# Altium PCB BluetoothAdapter2.0.PcbDoc
Units mm, origin at the board's own origin, x right, y up, seen from the top; angles counter-clockwise.
Board outline 71 x 24.5 mm, 2 copper layers (Top Layer, Bottom Layer); 74 components, 54 nets, 230 pads, 107 vias.
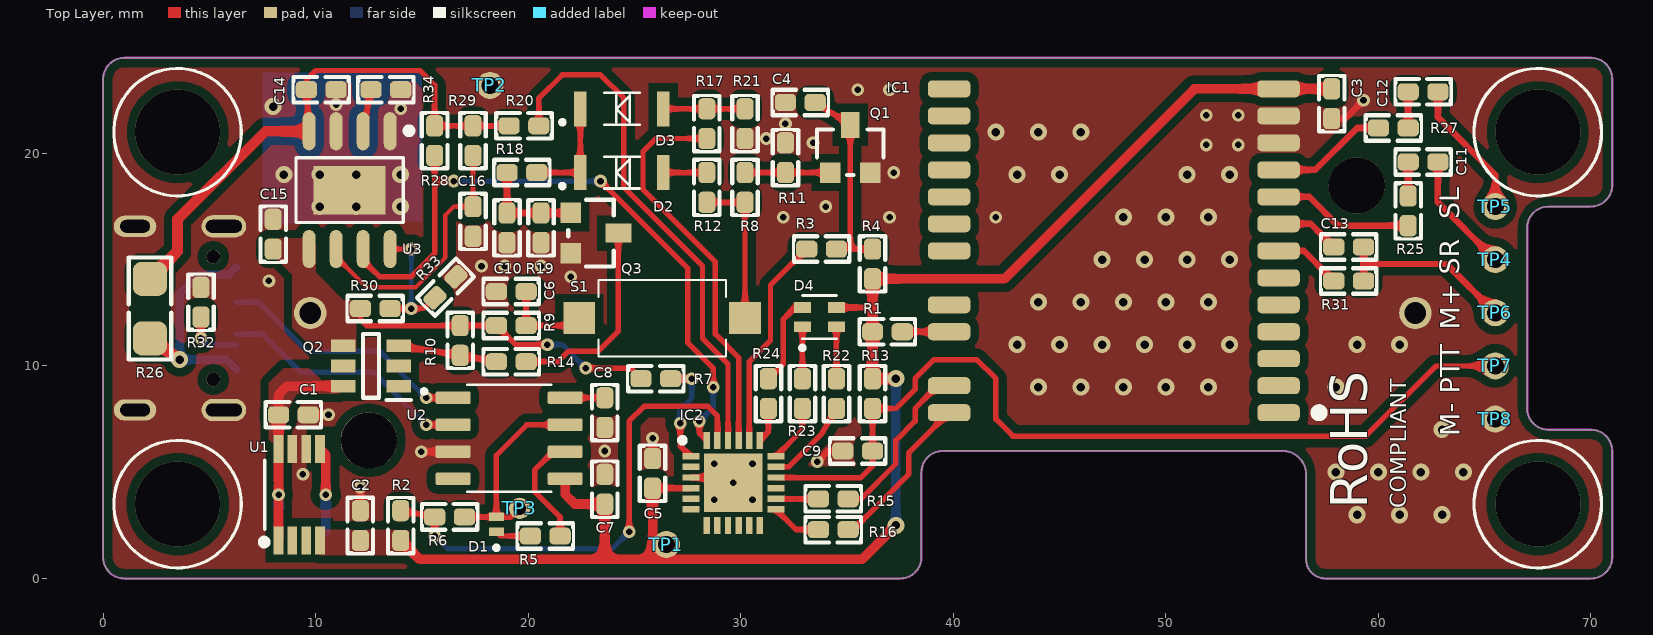
[diagram p0: Top Layer view]
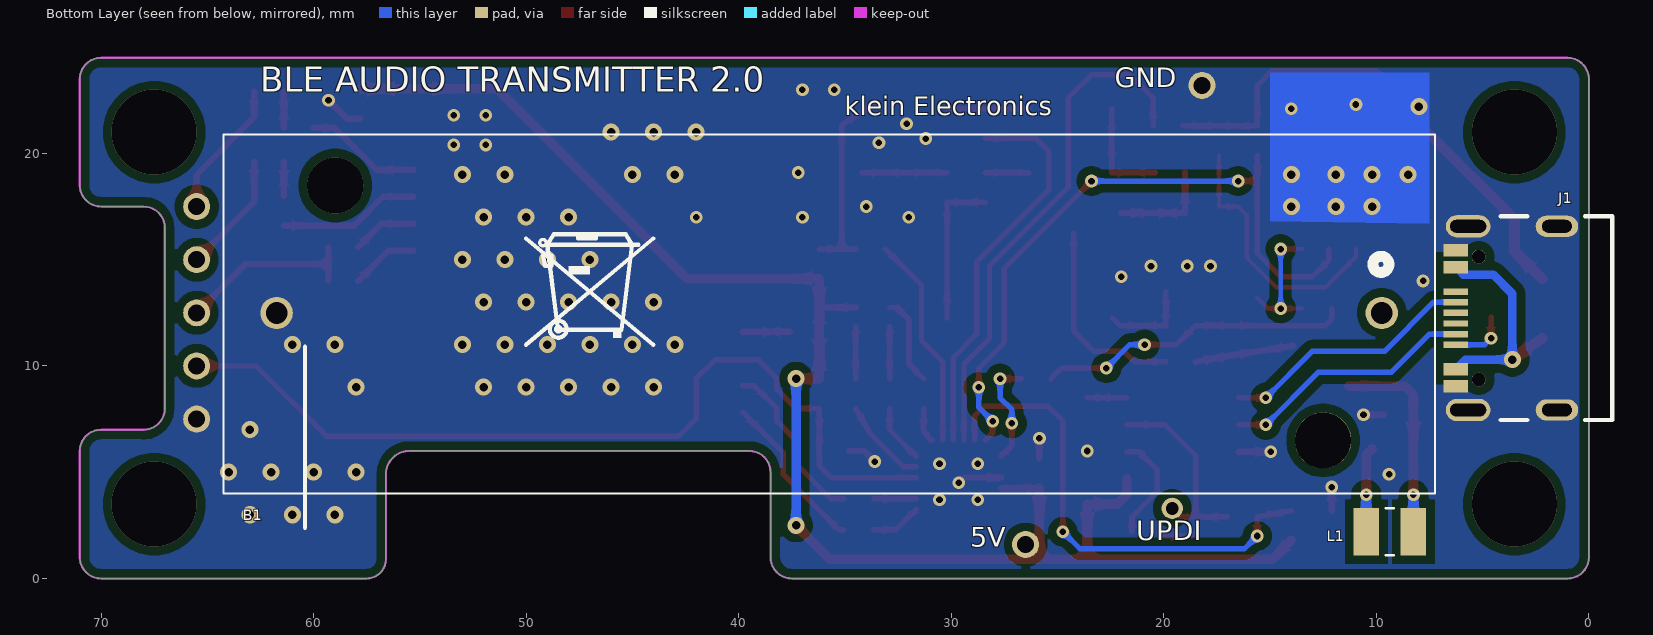
[diagram p1: Bottom Layer view, seen from below]
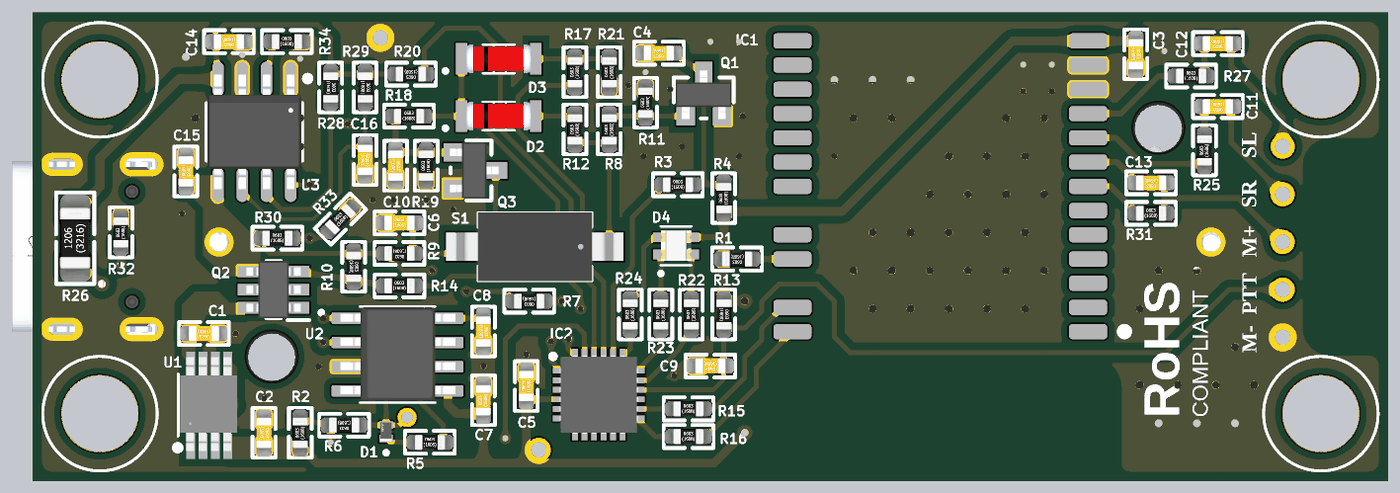
[diagram p2: 3D render of the assembled board from above, using the file's embedded part models]
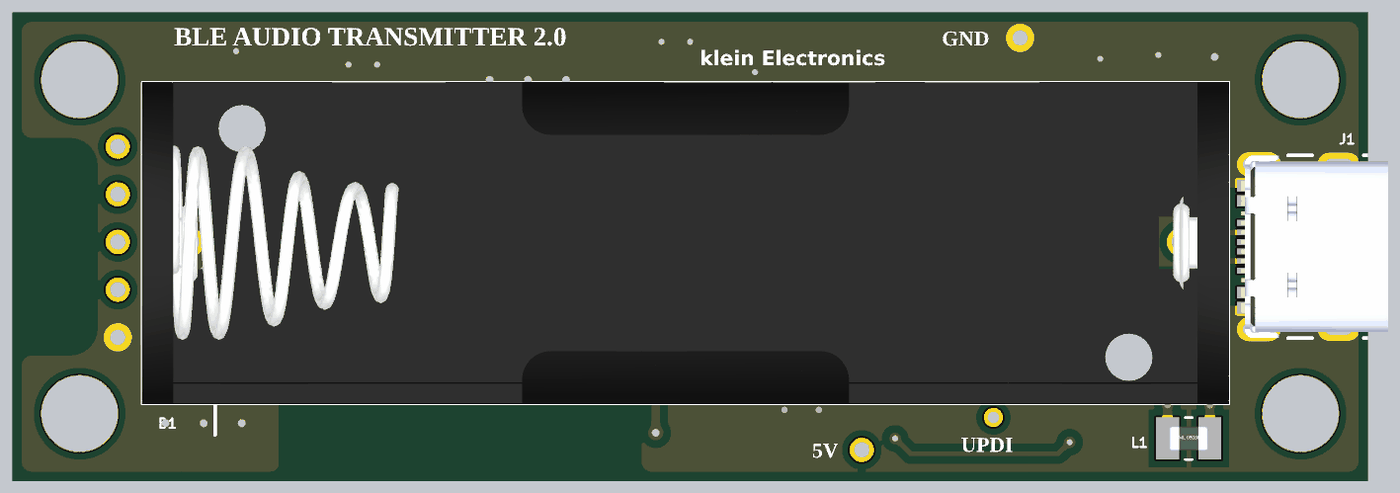
[diagram p3: 3D render of the assembled board from below, using the file's embedded part models]

## Layer stack, top to bottom
Top Solder: solder mask 0.0102, Solder Resist, Dk 3.5
Top Layer: signal copper 0.0356
Dielectric 1: dielectric 0.32, FR-4, Dk 4.8
Bottom Layer: signal copper 0.0356
Bottom Solder: solder mask 0.0102, Solder Resist, Dk 3.5

## Board outline
0,1 0,23.5 cw(c1,23.5) 1,24.5 70,24.5 cw(c70,23.5) 71,23.5 71,18.5 cw(c70,18.5) 70,17.5 68,17.5 ccw(c68,16.5) 67,16.5 67,8 ccw(c68,8) 68,7 70,7 cw(c70,6) 71,6 71,1 cw(c70,1) 70,0 57.5,0 cw(c57.5,0.9) 56.6,0.9 56.6,4.9 ccw(c55.5,4.9) 55.5,6 39.5,6 ccw(c39.5,5) 38.5,5 38.5,1 cw(c37.5,1) 37.5,0 1,0 cw(c1,1)

## Design rules (kind name [scope] priority, off if disabled: settings)
Clearance Clearance_2 [InPoly] p1: gap=0.4 ignorepadtopadclearanceinfootprint=FALSE
Clearance Clearance_Footprint [HasFootprint('QFN50P400X400X90-25N-D') = false or InComponent('IC2')] p2: gap=0.15 ignorepadtopadclearanceinfootprint=FALSE
Clearance [All] p3: gap=0.254 ignorepadtopadclearanceinfootprint=FALSE
DiffPairsRouting [All] p1: maxlimit=0.254 minlimit=0.254 mostfreqgap=0.254 toplayer_minwidth=0.2 toplayer_maxwidth=0.381 toplayer_prefwidth=0.381 bottomlayer_minwidth=0.2 bottomlayer_maxwidth=0.381 bottomlayer_prefwidth=0.381 maxuncoupledlength=12.7
HoleSize [All] p1: absolutevalues=TRUE maxlimit=10 minlimit=0.025 maxpercent=80.000 minpercent=20.000
MatchedLengths USB [InDifferentialPair('D')] p1: tolerance=0.127 checknetsindiffpair=TRUE checkdiffpairvsdiffpair=FALSE checkxsignals=FALSE checkothers=FALSE
MinimumSolderMaskSliver [All] p1: minsoldermaskwidth=0
PolygonConnect [All] p1: connectstyle=Direct reliefconductorwidth=0.254 reliefentries=4 polygonreliefangle="90 Angle" airgapwidth=0.254
RoutingVias [All] p1: holewidth=0.31 width=0.6 viastyle="Through Hole" minholewidth=0.3 minwidth=0.6 maxholewidth=10 maxwidth=10
SilkToSilkClearance [All] p1: silktosilkclearance=0
SilkToSolderMaskClearance [IsPad] p1: minsilkscreentomaskgap=0 clearancetoexposedcopper=TRUE
SolderMaskExpansion [All] p1: expansion=0.102 istentingtop=FALSE
Width [All] p1: maxlimit=2 minlimit=0.2 preferedwidth=0.254
25 further rules are at their usual default settings.

## Classes and differential pairs
differential pair class USB2.0: D
differential pair D: +D_P -D_N

## Components (designator, comment, footprint, x,y, rotation, side; value= is the part's Value field where it differs from the comment)
B1 "BATT HOLDER AA 1 CELL PC PIN" 2460_KEY 9.744,12.494 r0 bottom locked value=2460
C1 "CAP CER 10UF 16V X5R 0603" C0603S 8.952,7.7 r180 top value=10uF/16V
C2 "CAP CER 10UF 16V X5R 0603" C0603S 12.1,2.494 r270 top value=10uF/16V
C3 "CAP CER 0.1UF 25V X7R 0603" C0603S 57.8,22.34 r270 top value=0.1uF/25V
C4 "CAP CER 0.1UF 25V X7R 0603" C0603S 32.8,22.4 r180 top value=0.1uF/25V
C5 "CAP CER 0.1UF 25V X7R 0603" C0603S 25.85,4.95 r90 top value=0.1uF/25V
C6 "CAP CER 100PF 25V X7R 0603" C0603S 19.2,13.5 r0 top value=100pF/25V
C7 "CAP CER 0.1UF 25V X7R 0603" C0603S 23.6,4.2 r90 top value=0.1uF/25V
C8 "CAP CER 0.1UF 25V X7R 0603" C0603S 23.6,7.805 r270 top value=0.1uF/25V
C9 "CAP CER 0.1UF 25V X7R 0603" C0603S 35.5,6 r180 top value=0.1uF/25V
C10 "CAP CER 0.1UF 25V X7R 0603" C0603S 19,16.5 r270 top value=0.1uF/25V
C11 "CAP CER 10UF 16V X5R 0603" C0603S 62.1,19.6 r180 top value=10uF/16V
C12 "CAP CER 10UF 16V X5R 0603" C0603S 62.1,22.9 r180 top value=10uF/16V
C13 "CAP CER 10UF 16V X5R 0603" C0603S 58.6,15.6 r180 top value=10uF/16V
C14 "CAP CER 1UF 16V X7R 0603" C0603S 10.26,23 r180 top value=1uF/16V
C15 "CAP CER 10UF 16V X5R 0603" C0603S 8,16.2 r270 top value=10uF/16V
C16 "CAP CER 2.2UF 16V X7R 0603" C0603S 17.4,16.8 r90 top value=2.2uF/16V
D1 "BAT54LP-7" DESD3V3S1BL7B 18.5,2.225 r90 top
D2 "DIODE GEN PURP 100V 200MA SOD80" DIO_LL4148 24.4,19.1 r0 top value=LL4148
D3 "DIODE GEN PURP 100V 200MA SOD80" DIO_LL4148 24.4,22.1 r0 top value=LL4148
D4 "LED RGB MIXED WHITE ( 1.6(L)X1.6" LED_B38G3RGB-10D0003H2U1930 33.7,12.3 r90 top value=B38G3RGB-10D0003H2U1930
IC1 "AUDIO BLE/SPP PASS-THROUGH MODU" DFR0781 55.3,23.04 r180 top locked value=DFR0781
IC2 "IC MCU 8BIT 32KB FLASH 24VQFN" QFN50P400X400X90-25N-D 29.65,4.5 r0 top value=ATTINY3217-MNR
J1 "CONN RCP USB2.0 TYP C 24P SMD RA" GCT_USB4105-GF-A 1.5,12.25 r90 bottom locked value=USB4105-GF-A
L1 "FIXED IND 4.7UH 1.3A 120MOHM SMD" INDC2520X100N 9.362,2.2 r180 bottom value=4.7uH
Q1 "TRANS NPN 25V 0.5A SOT23" SOT23-3D 34.2,19.1 r0 top value=S8050
Q2 "MOSFET P-CH 30V 5A 6CPH" SOT95P285X140-6N 12.6,10 r180 top value=CPH6341-TL-W
Q3 "TRANS NPN 25V 0.5A SOT23" SOT23-3D 22,17.2 r270 top value=S8050
R1 "RES 10K OHM 1% 1/10W 0603" R0603S 36.9,11.61 r180 top value=10K
R2 "RES 100K OHM 1% 1/10W 0603" R0603S 14,2.494 r90 top value=100K
R3 "RES 56 OHM 1% 1/10W 0603" R0603S 33.8,15.5 r0 top value=56R
R4 "RES 10K OHM 1% 1/10W 0603" R0603S 36.2,14.8 r90 top value=10K
R5 "RES 1K OHM 1% 1/10W 0603" R0603S 20.8,2 r0 top value=1K
R6 "RES 470 OHM 1% 1/10W 0603" R0603S 16.3,2.9 r180 top value=470R
R7 "RES 10K OHM 1% 1/10W 0603" R0603S 26,9.4 r180 top value=10K
R8 "RES 10K OHM 1% 1/10W 0603" R0603S 30.2,18.4 r90 top value=10K
R9 "RES 56 OHM 1% 1/10W 0603" R0603S 19.2,11.9 r180 top value=56R
R10 "RES 10K OHM 1% 1/10W 0603" R0603S 16.8,11.2 r270 top value=10K
R11 "RES 10K OHM 1% 1/10W 0603" R0603S 32.1,19.8 r90 top value=10K
R12 "RES 10K OHM 1% 1/10W 0603" R0603S 28.4,18.4 r90 top value=10K
R13 "RES 10K OHM 1% 1/10W 0603" R0603S 36.2,8.7 r270 top value=10K
R14 "RES 1K OHM 1% 1/10W 0603" R0603S 19.2,10.2 r0 top value=1K
R15 "RES 1K OHM 1% 1/10W 0603" R0603S 34.35,3.75 r0 top value=1K
R16 "RES 1K OHM 1% 1/10W 0603" R0603S 34.35,2.3 r0 top value=1K
R17 "RES 200 OHM 1% 1/10W 0603" R0603S 28.4,21.4 r90 top value=200R
R18 "RES 1K OHM 1% 1/10W 0603" R0603S 19.7,19.1 r0 top value=1K
R19 "RES 200K OHM 1% 1/10W 0603" R0603S 20.6,16.5 r90 top value=200K
R20 "RES 10K OHM 1% 1/10W 0603" R0603S 19.8,21.3 r180 top value=10K
R21 "RES 10K OHM 1% 1/10W 0603" R0603S 30.2,21.4 r90 top value=10K
R22 "RES 1K OHM 1% 1/10W 0603" R0603S 34.5,8.7 r90 top value=1K
R23 "RES 1K OHM 1% 1/10W 0603" R0603S 32.9,8.7 r90 top value=1K
R24 "RES 1K OHM 1% 1/10W 0603" R0603S 31.3,8.7 r90 top value=1K
R25 "RES 22 OHM 5% 1/10W 0603" R0603S 61.4,17.3 r90 top value=22R
R26 "RES 0.4 OHM 1% 1/4W 1206" R1206S 2.2,12.7 r90 top value=0.4R
R27 "RES 22 OHM 5% 1/10W 0603" R0603S 60.7,21.2 r0 top value=22R
R28 "RES 2K OHM 1% 1/10W 0603" R0603S 15.595,20.6 r270 top value=2K
R29 "RES 510K OHM 1% 1/10W 0603" R0603S 17.4,20.6 r270 top value=510K
R30 "RES 24.9K OHM 1% 1/10W 0603" R0603S 12.8,12.7 r0 top value=24.9K
R31 "RES 6.2K OHM 1% 1/10W 0603" R0603S 58.6,14 r0 top value=6.2K
R32 "RES 5.1K OHM 1% 1/10W 0603" R0603S 4.6,13 r90 top value=5.1K
R33 "RES 100K OHM 1% 1/10W 0603" R0603S 16.105,13.705 r45 top value=100K
R34 "RES 1.3K OHM 1% 1/10W 0603" R0603S 13.3,23 r0 top value=1.3K
S1 "SWITCH TACTILE SPST-NO 0.05A 12V" RS282G05A3SMRT 26.3,12.25 r180 top value="RS-282G05A3-SM RT"
TP1 "TP" TP#1 26.5,1.6 r90 top
TP2 "TP" TP#1 18.2,23.2 r90 top
TP3 "TP" TP#2 19.6,3.3 r90 top
TP4 "TP" TP#1 65.5,15 r90 top
TP5 "TP" TP#1 65.5,17.5 r90 top
TP6 "TP" TP#1 65.5,12.5 r90 top
TP7 "TP" TP#1 65.5,10 r90 top
TP8 "TP" TP#1 65.5,7.5 r90 top
U1 "IC REG BOOST 5V 800MA 8MSOP" MCP1642B-50I/MS 9.1,4 r90 top value=MCP1642B-50I/MS
U2 "IC USB TO UART BRIDGE SOP-8" SOIC127P602X173-8N 19.1,6.6 r0 top value=CH340N
U3 "SOP-8-EP Battery Management ICs ROHS" SOP-8_L4.9-W3.9-P1.27-LS6.0-BL-EP 11.595,18.273 r180 top value=CN3085

## Footprints (in the part's own frame and the unit in brackets; to place one, negate y for a bottom-side part, rotate by r counter-clockwise, add the part's x,y. Pads: shape width x height; smd on the part's side, far side on the other; paste and mask are expansions set on the pad)
2460_KEY [mil]
  round 60 hole 40 mask+0: 1(0,0) 2(2047,0)
  round 104 hole 104 unplated: 3(108.5,236) 4(1938.5,-236)
  silkscreen extent -99,-331 2145,334, body extent -99,-331 2145,334, height 548
C0603S [mm] "CHIP Capacitor, 1.6X0.8mm, 0603, soldered"
  rrect50% 1x0.8 smd mask+0.075: 1(-0.7,0) 2(0.7,0)
  silkscreen extent -1.33,-0.6 1.32,0.6, body extent -1.23,-0.4 1.23,0.4, height 0.8
DESD3V3S1BL7B [mm]
  rect 0.4x0.7 smd: 1(-0.025,0) 2(0.675,0)
  silkscreen extent -0.87,-0.1 -0.68,0.1, body extent -0.18,-0.3 0.82,0.3, height 0.53
DFR0781 [mm]
  rrect50% 2x0.8 smd: 1(0,15.24) 2(0,13.97) 3(0,12.7) 4(0,11.43) 5(0,10.16) 6(0,8.89) 7(0,7.62) 8(0,6.35) 9(0,5.08) 10(0,3.81) 11(0,2.54) 12(0,1.27) 13(0,0) 14(15.5,0) 15(15.5,1.27) 16(15.5,2.54) 17(15.5,3.81) 18(15.5,5.08) 19(15.5,6.35) 20(15.5,7.62) 22(15.5,10.16) 23(15.5,11.43) 25(15.5,13.97) 26(15.5,15.24)
  silkscreen extent -2.1,15.04 -1.71,15.44, body extent -0.1,-0.9 15.6,22.54, height 2
DIO_LL4148 [mm]
  rect 0.6x1.65 smd: 1(1.95,0) 2(-1.95,0)
  silkscreen extent -2.89,-0.75 0.83,0.75, body extent -1.72,-0.75 1.73,0.75, height 1.5
GCT_USB4105-GF-A [mm]
  rect 0.6x1.15 smd: A1_B12(-3.2,4.755) A4_B9(-2.4,4.755) B1_A12(3.2,4.755) B4_A9(2.4,4.755)
  rect 0.3x1.15 smd: A5(-1.25,4.755) A6(-0.25,4.755) A7(0.25,4.755) A8(1.25,4.755) B6(0.75,4.755) B7(-0.75,4.755)
  rect 0x0 smd paste+0 mask+0.102: B5(1.75,4.755) B8(-1.75,4.755)
  oval 1.05x2.1 hole 0.6 slot 1.7 at 90 deg: S1(-4.32,4.18) S4(4.32,4.18)
  oval 1x2 hole 0.6 slot 1.4 at 90 deg: S2(-4.32,0) S3(4.32,0)
  round 0.65 hole 0.65 unplated: ""(-2.89,3.68) ""(2.89,3.68)
  silkscreen extent -4.79,-2.6 4.79,2.65, body extent -4.79,-2.6 4.79,5.11, height 3.31
INDC2520X100N [mm]
  rect 1.2x2.22 smd: 1(-1.11,0) 2(1.11,0)
  silkscreen extent -0.19,-1.1 0.19,1.1, body extent -1,-0.63 1,0.63, height 0.82
LED_B38G3RGB-10D0003H2U1930 [mm]
  rect 0.5x0.8 smd: 1(-0.45,0.8) 2(0.45,0.8) 3(0.45,-0.8) 4(-0.45,-0.8)
  silkscreen extent -1.55,-0.8 1.02,0.9, body extent -0.8,-0.8 0.8,0.8, height 0.4
MCP1642B-50I/MS [mil]
  rect 51.46x18 smd paste+0 mask+0: 1(-86.85,33.39) 2(-86.85,7.8) 3(-86.85,-17.8) 4(-86.85,-43.39) 5(82.6,-43.39) 6(82.6,-17.8) 7(82.6,7.8) 8(82.6,33.39)
  silkscreen extent -96,54 62,66, body extent -96,-63 96,55, height 43
QFN50P400X400X90-25N-D [mm]
  rect 0.8x0.3 smd: 1(-2,1.25) 2(-2,0.75) 3(-2,0.25) 4(-2,-0.25) 5(-2,-0.75) 6(-2,-1.25) 13(2,-1.25) 14(2,-0.75) 15(2,-0.25) 16(2,0.25) 17(2,0.75) 18(2,1.25)
  rect 0.3x0.8 smd: 7(-1.25,-2) 8(-0.75,-2) 9(-0.25,-2) 10(0.25,-2) 11(0.75,-2) 12(1.25,-2) 19(1.25,2) 20(0.75,2) 21(0.25,2) 22(-0.25,2) 23(-0.75,2) 24(-1.25,2)
  rect 2.75x2.75 smd: 25(0,0)
  silkscreen extent -2.52,1.88 -2.27,2.12, body extent -2.05,-2.05 2.05,2.05, height 0.9
R0603S [mm] "CHIP Resistor 1/10 WATT, 1.6x0.8mm, 0603, 1608, soldered"
  rrect50% 1x0.8 smd mask+0.05: 1(-0.7,0) 2(0.7,0)
  silkscreen extent -1.32,-0.6 1.32,0.6, body extent -1.23,-0.4 1.23,0.4, height 0.8
R1206S [mm] "CHIP RESISTOR 1/4 WATT, Body 3.2x1.6mm,1206, 3216, soldered"
  rrect50% 1.6x1.6 smd mask+0.075: 1(-1.4,0) 2(1.4,0)
  Top Layer pour cut-out: -0.8,1 -0.8,-1 0.8,-1 0.8,1
  silkscreen extent -2.4,-1 2.4,1, body extent -2.27,-0.8 2.27,0.8, height 1.25
RS282G05A3SMRT [mm]
  rect 1.5x1.5 smd: 1(-3.9,0) 2(3.9,0)
  silkscreen extent -3,-1.8 3,1.8, body extent -4.65,-1.8 4.65,1.8, height 2.49
SOIC127P602X173-8N [mm]
  rrect25% 1.64x0.59 smd: 1(-2.635,1.905) 2(-2.635,0.635) 3(-2.635,-0.635) 4(-2.635,-1.905) 5(2.635,-1.905) 6(2.635,-0.635) 7(2.635,0.635) 8(2.635,1.905)
  silkscreen extent -4.1,-2.52 1.97,2.52, body extent -2.99,-2.43 3.03,2.48, height 1.66
SOP-8_L4.9-W3.9-P1.27-LS6.0-BL-EP [mm]
  oval 0.6x1.8 smd: 1(-1.905,-2.773) 2(-0.635,-2.773) 3(0.635,-2.773) 4(1.905,-2.773) 5(1.905,2.773) 6(0.635,2.773) 7(-0.635,2.773) 8(-1.905,2.773)
  rect 3.4x2.29 smd: 9(0,0)
  silkscreen extent -2.94,-2.94 2.53,1.52, body extent -2.45,-3 2.45,3, height 1.7
SOT23-3D [mm]
  rect 0.965x0.965 smd: 1(0,0) 3(1.9,0)
  rect 0.889x1.219 smd: 2(0.95,2.24)
  silkscreen extent -0.62,-0.12 2.52,2.02, body extent -0.51,-0.15 2.41,2.39, height 1
SOT95P285X140-6N [mm]
  rect 1.15x0.6 smd: 1(-1.3,0.95) 2(-1.3,0) 3(-1.3,-0.95) 4(1.3,-0.95) 5(1.3,0) 6(1.3,0.95)
  silkscreen extent -1.88,-1.5 0.38,1.6, body extent -1.43,-1.5 1.43,1.5, height 1.4
TP#1 [mm]
  round 1.27 hole 0.8: 1(0,0)
TP#2 [mm]
  round 1 hole 0.6: 1(0,0)

## Part data
B1: library part 2460, "Battery Holder (Open) AA 1 Cell PC Pin", Digi-Key Part Number=36-2460-ND, Manufacturer="Keystone Electronics", Digi-Key PurchaseURL=https://www.digikey.com/en/products/detail/keystone-electronics/2460/280629, Manufacturer Product Number=2460
C1 C2 C11 C12 C13 C15: library part Cap, "10 µF ±20% 16V Ceramic Capacitor X5R 0603 (1608 Metric)", Digi-Key Part Number=490-10729-6-ND, Manufacturer="Murata Electronics", Manufacturer Product Number=GRM188R61C106MAALD, TemperatureCoefficient=X5R, Digi-Key PurchaseURL=https://www.digikey.com/en/products/detail/murata-electronics/GRM188R61C106MAALD/4905340
C3 C4 C5 C7 C8 C9 C10: library part Cap, "0.1 µF ±10% 25V Ceramic Capacitor X7R 0603 (1608 Metric)", Digi-Key Part Number=399-C0603C104K3RAC7867TR-ND, Manufacturer=KEMET, Manufacturer Product Number=C0603C104K3RAC7867, TemperatureCoefficient=X7R, Digi-Key PurchaseURL=https://www.digikey.com/en/products/detail/kemet/C0603C104K3RAC7867/416044
C6: library part Cap, "0.1 µF ±10% 25V Ceramic Capacitor X7R 0603 (1608 Metric)", Digi-Key Part Number=399-C0603C101K3RACAUTODKR-ND, Manufacturer=KEMET, Manufacturer Product Number=C0603C101K3RACAUTO, TemperatureCoefficient=X7R, Digi-Key PurchaseURL=https://www.digikey.com/en/products/detail/kemet/C0603C101K3RACAUTO/10642423
C14: library part Cap, "1 µF ±10% 16V Ceramic Capacitor X7R 0603 (1608 Metric)", Digi-Key Part Number=311-1446-6-ND, Manufacturer=YAGEO, Manufacturer Product Number=CC0603KRX7R7BB105, TemperatureCoefficient=X7R, Digi-Key PurchaseURL=https://www.digikey.com/en/products/detail/yageo/CC0603KRX7R7BB105/2833611
C16: library part Cap, "2.2 µF ±10% 16V Ceramic Capacitor X7R 0603 (1608 Metric)", Digi-Key Part Number=490-GRM188Z71C225KE43DDKR-ND, Manufacturer="Murata Electronics", Manufacturer Product Number=GRM188Z71C225KE43D, TemperatureCoefficient=X7R, Digi-Key PurchaseURL=https://www.digikey.com/en/products/detail/murata-electronics/GRM188Z71C225KE43D/15930193
D1: "Diode 30 V 200mA Surface Mount X1-DFN1006-2", Digi-Key Part Number=BAT54LPDIDKR-ND, Manufacturer="Diodes Inc.", Digi-Key PurchaseURL=https://www.digikey.com/en/products/detail/diodes-incorporated/BAT54LP-7/765611, Manufacturer Product Number=BAT54LP-7
D2 D3: library part Diode, "Diode Standard 100 V 200mA Surface Mount SOD-80", Digi-Key Part Number=LL4148FSCT-ND, LCSC Part Number=C9808, Manufacturer=onsemi, Manufacturer Product Number=LL4148, TemperatureCoefficient="-55°C ~ 175°C", Digi-Key PurchaseURL=https://www.digikey.com/en/products/detail/onsemi/LL4148/1923046, LCSC Purchase URL=https://www.lcsc.com/product-detail/Switching-Diode_ST-Semtech-LL4148_C9808.html
D4: library part B38G3RGB-10D0003H2U1930, "Red, Green, Blue (RGB) LED Indication - Discrete 2V Red, 3V Green, 3V Blue 0606 (1616 Metric)", Digi-Key Part Number=3147-B38G3RGB-10D0003H2U1930DKR-ND, Manufacturer="Harvatek Corporation", Digi-Key PurchaseURL=https://www.digikey.com/en/products/detail/harvatek-corporation/B38G3RGB-10D0003H2U1930/13588733?s=N4IgTCBcDaIEIGYAcBxBAlFcC0BGADACL4kIASYAqrgJwL4gC6AvkA, Manufacturer Product Number=B38G3RGB-10D0003H2U1930
IC1: library part DFR0781, "Bluetooth Bluetooth v5.0 Transceiver Module Antenna Not Included Surface Mount", Digi-Key Part Number=1738-DFR0781-ND, Manufacturer=DFRobot, Digi-Key PurchaseURL=https://www.digikey.com/en/products/detail/dfrobot/DFR0781/13688344?s=N4IgTCBcDaICYDMBOAGA7ADgIwgLoF8g, Manufacturer Product Number=DFR0781
IC2: library part ATTINY3217-MNR, "AVR tinyAVR™ 1, Functional Safety (FuSa) Microcontroller IC 8-Bit 20MHz 32KB (32K x 8) FLASH 24-VQFN (4x4)", Digi-Key Part Number=ATTINY3217-MNRDKR-ND, Manufacturer=Microchip, Digi-Key PurchaseURL=https://www.digikey.com/en/products/detail/microchip-technology/ATTINY3217-MNR/9477738?s=N4IgTCBcDaIIIBUEEkByBNAzGAjAdgFoBZVAJRAF0BfIA, Manufacturer Product Number=ATTINY3217-MNR
J1: library part USB4105-GF-A, "USB-C (USB TYPE-C) USB 2.0 Receptacle Connector 24 (16+8 Dummy) Position Surface Mount, Right Angle; Through Hole", Digi-Key Part Number=2073-USB4105-GF-ADKR-ND, Manufacturer=GCT, Digi-Key PurchaseURL=https://www.digikey.com/en/products/detail/gct/USB4105-GF-A/11198441, Manufacturer Product Number=USB4105-GF-A
L1: library part AIML-1008HC-4R7M-T, "4.7 µH Shielded Multilayer Inductor 1.3 A 120mOhm 1008 (2520 Metric)", Digi-Key Part Number=535-12797-6-ND, Manufacturer="Abracon LLC", Digi-Key PurchaseURL=https://www.digikey.com/en/products/detail/abracon-llc/AIML-1008HC-4R7M-T/5043494?s=N4IgTCBcDaIIIEkCyAZAtARgAxYBwAkBhNAFgCUB2JNAFRAF0BfIA, Manufacturer Product Number=AIML-1008HC-4R7M-T
Q1 Q3: library part S8050, "Bipolar (BJT) Transistor NPN 25 V 500 mA 150MHz 300 mW Surface Mount SOT-23", Digi-Key Part Number=3372-S8050TR-ND, Manufacturer=MDD, Digi-Key PurchaseURL=https://www.digikey.com/en/products/detail/nextgen-components/S8050/16602420, Manufacturer Product Number=S8050
Q2: library part CPH6341-TL-W, "P-Channel 30 V 5A (Ta) 1.6W (Ta) Surface Mount 6-CPH", Digi-Key Part Number=CPH6341-TL-WOSDKR-ND, Manufacturer=onsemi, Digi-Key PurchaseURL=https://www.digikey.com/en/products/detail/onsemi/CPH6341-TL-W/4847611, Manufacturer Product Number=CPH6341-TL-W
R1 R4 R7 R8 R10 R11 R12 R13 R20 R21: library part R0603, "10 kOhms ±1% 0.1W, 1/10W Chip Resistor 0603 (1608 Metric) Moisture Resistant Thick Film", Digi-Key Part Number=311-10.0KHRCT-ND, Manufacturer=YAGEO, Manufacturer Product Number=RC0603FR-0710KL, Digi-Key PurchaseURL=https://www.digikey.com/en/products/detail/yageo/RC0603FR-0710KL/726880
R2 R33: library part R0603, "100 kOhms ±1% 0.1W, 1/10W Chip Resistor 0603 (1608 Metric) Moisture Resistant Thick Film", Digi-Key Part Number=311-100KHRDKR-ND, Manufacturer=YAGEO, Manufacturer Product Number=RC0603FR-07100KL, Digi-Key PurchaseURL=https://www.digikey.com/en/products/detail/yageo/RC0603FR-07100KL/726889?s=N4IgTCBcDaIEoGEAMA2JBmAYnAtEg7AIxJIDSAMiALoC%2BQA
R3 R9: library part R0603, "1 kOhms ±1% 0.1W, 1/10W Chip Resistor 0603 (1608 Metric) Moisture Resistant Thick Film", Digi-Key Part Number=311-56.0HRDKR-ND, Manufacturer=YAGEO, Manufacturer Product Number=RC0603FR-0756RL, Digi-Key PurchaseURL=https://www.digikey.com/en/products/detail/yageo/RC0603FR-0756RL/727301
R5 R14 R15 R16 R18 R22 R23 R24: library part R0603, "1 kOhms ±1% 0.1W, 1/10W Chip Resistor 0603 (1608 Metric) Moisture Resistant Thick Film", Digi-Key Part Number=311-1.00KHRTR-ND, Manufacturer=YAGEO, Manufacturer Product Number=RC0603FR-071KL, Digi-Key PurchaseURL=https://www.digikey.com/en/products/detail/yageo/RC0603FR-071KL/726843
R6: library part R0603, "470 Ohms ±1% 0.1W, 1/10W Chip Resistor 0603 (1608 Metric) Moisture Resistant Thick Film", Digi-Key Part Number=311-470HRDKR-ND, Manufacturer=YAGEO, Manufacturer Product Number=RC0603FR-07470RL, Digi-Key PurchaseURL=https://www.digikey.com/en/products/detail/yageo/RC0603FR-07470RL/727256
R17: library part R0603, "10 kOhms ±1% 0.1W, 1/10W Chip Resistor 0603 (1608 Metric) Moisture Resistant Thick Film", Digi-Key Part Number=311-200HRDKR-ND, Manufacturer=YAGEO, Manufacturer Product Number=RC0603FR-07200RL, Digi-Key PurchaseURL=https://www.digikey.com/en/products/detail/yageo/RC0603FR-07200RL/727043
R19: library part R0603, "100 kOhms ±1% 0.1W, 1/10W Chip Resistor 0603 (1608 Metric) Moisture Resistant Thick Film", Digi-Key Part Number=13-RC0603FR-10200KLDKR-ND, Manufacturer=YAGEO, Manufacturer Product Number=RC0603FR-10200KL, Digi-Key PurchaseURL=https://www.digikey.com/en/products/detail/yageo/RC0603FR-10200KL/14008344
R25 R27: library part R0603, "22 Ohms ±5% 0.1W, 1/10W Chip Resistor 0603 (1608 Metric) Moisture Resistant Thick Film", Digi-Key Part Number=311-22GRDKR-ND, Manufacturer=YAGEO, Manufacturer Product Number=RC0603JR-0722RL, Digi-Key PurchaseURL=https://www.digikey.com/en/products/detail/yageo/RC0603JR-0722RL/726743?s=N4IgTCBcDaIEoGEAMA2JBmAUnAtEg7GGHADIgC6AvkA
R26: library part R0603, "400 mOhms ±1% 0.25W, 1/4W Chip Resistor 1206 (3216 Metric) Automotive AEC-Q200, Current Sense, Moisture Resistant Thick Film", Digi-Key Part Number=311-.4LWDKR-ND, Manufacturer=YAGEO, Manufacturer Product Number=RL1206FR-070R4L, Digi-Key PurchaseURL=https://www.digikey.com/en/products/detail/yageo/RL1206FR-070R4L/3886028
R28: library part R0603, "2 kOhms ±1% 0.1W, 1/10W Chip Resistor 0603 (1608 Metric) Moisture Resistant Thick Film", Digi-Key Part Number=311-2.00KHRDKR-ND, Manufacturer=YAGEO, Manufacturer Product Number=RC0603FR-072KL, Digi-Key PurchaseURL=https://www.digikey.com/en/products/detail/yageo/RC0603FR-072KL/727009
R29: library part R0603, "510 kOhms ±1% 0.1W, 1/10W Chip Resistor 0603 (1608 Metric) Moisture Resistant Thick Film", Digi-Key Part Number=311-510KHRDKR-ND, Manufacturer=YAGEO, Manufacturer Product Number=RC0603FR-07510KL, Digi-Key PurchaseURL=https://www.digikey.com/en/products/detail/yageo/RC0603FR-07510KL/727286?s=N4IgTCBcDaIEoGEAMA2JBmAYnAtEg7AKwCMSA0gDIgC6AvkA
R30: library part R0603, "24.9 kOhms ±1% 0.1W, 1/10W Chip Resistor 0603 (1608 Metric) Moisture Resistant Thick Film", Digi-Key Part Number=311-24.9KHRDKR-ND, Manufacturer=YAGEO, Manufacturer Product Number=RC0603FR-0724K9L, Digi-Key PurchaseURL=https://www.digikey.com/en/products/detail/yageo/RC0603FR-0724K9L/727080?s=N4IgTCBcDaIEoGEAMA2JBmAYnAtEg7GACwDSAnADIgC6AvkA
R31: library part R0603, "6.2 kOhms ±1% 0.1W, 1/10W Chip Resistor 0603 (1608 Metric) Moisture Resistant Thick Film", Digi-Key Part Number=311-6.20KHRDKR-ND, Manufacturer=YAGEO, Manufacturer Product Number=RC0603FR-076K2L, Digi-Key PurchaseURL=https://www.digikey.com/en/products/detail/yageo/RC0603FR-076K2L/727319?s=N4IgTCBcDaIEoGEAMA2JBmAYnAtEg7CgNJgAyIAugL5A
R32: library part R0603, "5.1kOhms ±1% 0.1W, 1/10W Chip Resistor 0603 (1608 Metric) Moisture Resistant Thick Film", Digi-Key Part Number=311-5.10KHRDKR-ND, Manufacturer=YAGEO, Manufacturer Product Number=RC0603FR-075K1L, Digi-Key PurchaseURL=https://www.digikey.com/en/products/detail/yageo/RC0603FR-075K1L/727268?s=N4IgTCBcDaIEoGEAMA2JBmAYnAtEg7AKwDSAjADIgC6AvkA
R34: library part R0603, "1.3 kOhms ±1% 0.1W, 1/10W Chip Resistor 0603 (1608 Metric) Automotive AEC-Q200, Moisture Resistant Metal Film", Digi-Key Part Number=2019-RN73H1JTTD1301F100DKR-ND, Manufacturer="KOA Speer Electronics, Inc.", Manufacturer Product Number=RN73H1JTTD1301F100, Digi-Key PurchaseURL=https://www.digikey.com/en/products/detail/koa-speer-electronics-inc/RN73H1JTTD1301F100/10687252
S1: library part RS282G05A3SMRT, "Tactile Switch SPST-NO Top Actuated Surface Mount", Digi-Key Part Number=CKN10384DKR-ND, Manufacturer="C & K COMPONENTS", Manufacturer Product Number="RS-282G05A3-SM RT", Digi-Key PurchaseURL=https://www.digikey.com/en/products/detail/c-k/RS-282G05A3-SM-RT/2747190
U1: library part MCP1642B-50I/MS, "Boost Switching Regulator IC Positive Fixed 5V 1 Output 800mA 8-TSSOP, 8-MSOP (0.118\", 3.00mm Width)", Digi-Key Part Number=MCP1642B-50I/MS-ND, Manufacturer="Microchip Technology", Digi-Key PurchaseURL=https://www.digikey.com/en/products/detail/microchip-technology/MCP1642B-50I-MS/5137716?s=N4IgTCBcDaILIGEAKBGAbAFjAIQLQFYAGASQHo4BlEAXQF8g, Manufacturer Product Number=MCP1642B-50I/MS
U2: library part CH340N, Digi-Key Part Number=C506813, Manufacturer="WCH(Jiangsu Qin Heng)", Digi-Key PurchaseURL=https://www.lcsc.com/product-detail/USB-ICs_WCH-Jiangsu-Qin-Heng-CH340N_C506813.html, Manufacturer Product Number=CH340N
U3: library part CN3085, Digi-Key Part Number=C93054, Manufacturer="ShangHai Consonance Elec", Digi-Key PurchaseURL=https://www.lcsc.com/product-detail/Battery-Management-ICs_ShangHai-Consonance-Elec-CN3085_C93054.html, Manufacturer Product Number=CN3085

## Via types
v1: diameter 0.8, hole 0.4, Top Layer to Bottom Layer, tented both sides, 52 vias
v2: diameter 0.6, hole 0.31, Top Layer to Bottom Layer, tented both sides, 46 vias
v3: diameter 0.6, hole 0.31, Top Layer to Bottom Layer, tented bottom, 5 vias
v4: diameter 4, hole 4, Top Layer to Bottom Layer, 4 vias

## Nets (pads, with @x,y where several pads share a name; then routed paths per layer and width w, separated by ;. In a path a pad name is that pad's centre, name@x,y a point inside that pad or via, vN(x,y) a via of type N, cw(c..) or ccw(c..) an arc to the next point about the centre after c; other vN are vias at no path point)
5V: C2.2 C3.1 C5.1 C7.1 D4.3 IC1.13 IC2.4 R1.2 R2.1 R4.1 R13.1 TP1.1 U1.4 U2.5 | length 74.6
  Top Layer w0.3: C5.1 IC2.4 ; D4.3 36.2,12.75
  Top Layer w0.45: R2.1 14.894,0.9 23.6,0.9 ; U2.5 21.735,3.965 22.2,3.5 C7.1 23.6,0.9 ; C5.1 25.85,0.9 ; v1(37.3,2.5) 35.7,0.9 25.85,0.9 ; v1(37.3,9.4) R13.1 R1.2 36.2,12.75 R4.1 42.4,14.1 51.34,23.04 IC1.13 C3.1 ; 23.6,0.9 25.85,0.9
  Bottom Layer w0.45: v1(37.3,2.5) v1(37.3,9.4)
+BATT: B1.1 C15.2 Q2.4 R7.2 R9.2 R10.1 R30.1 U3.5 | length 14.9
  Top Layer w0.254: R30.1 12.1,12.2 12.4,11.9 R10.1 R9.2 19.4,11 v2(20.9,11) ; v2(22.7,9.9) 24.8,9.9 R7.2
  Bottom Layer w0.254: v2(20.9,11) 21.6,11 v2(22.7,9.9)
CHRG: IC2.24 R28.2 U3.7 | length 31.9
  Top Layer w0.254: U3.7 12.23,14.97 13,14.2 14.5,14.2 15.595,15.295 15.595,18.7 ; R28.2 15.595,18.7 ; v2(16.5,18.7) 15.595,18.7 ; v2(23.4,18.7) 27.5,14.6 27.5,11.1 28.7,9.9 v2(28.7,9) ; v2(28.05,7.4) 28.05,6.85 IC2.24
  Bottom Layer w0.254: v2(16.5,18.7) v2(23.4,18.7) ; v2(28.05,7.4) 28.7,8.05 v2(28.7,9)
D_N: J1.B7 U2.2 | length 12
  Top Layer w0.254: v2(15.2,7.235) U2.2
  Bottom Layer w0.254: J1.B7 7.5,11.5 9.3,9.7 12.735,9.7 v2(15.2,7.235)
D_P: J1.B6 U2.1 | length 12.1
  Top Layer w0.254: v2(15.2,8.505) U2.1
  Bottom Layer w0.254: J1.B6 7.3,13 9.6,10.7 13.005,10.7 v2(15.2,8.505)
DACL: IC1.10 R27.1 | length 5.5
  Top Layer w0.3: IC1.10 57.03,19.23 59,21.2 R27.1
DACR: IC1.9 R25.1 | length 6.7
  Top Layer w0.3: IC1.9 56.74,17.96 58.1,16.6 R25.1
DVDD: IC1.7 R31.1 | length 3.2
  Top Layer w0.3: IC1.7 56.48,15.42 R31.1
KEY: IC2.20 R3.1 | length 10.1
  Top Layer w0.254: IC2.20 30.4,10.2 31.4,11.2 31.4,13.8 R3.1
LED_B: IC2.19 R24.1 | length 1.7
  Top Layer w0.254: IC2.19 31.3,6.9 R24.1
LED_G: IC2.18 R23.1 | length 2.8
  Top Layer w0.254: IC2.18 32.9,7 R23.1
LED_R: IC2.17 R22.1 | length 4.2
  Top Layer w0.254: IC2.17 32.25,5.25 33.8,6.8 R22.1
MIC+: C13.2 IC1.8 | length 3.1
  Top Layer w0.3: IC1.8 56.81,16.69 C13.2
MIC-: B1.2 C1.1 C2.1 C3.2 C4.2 C5.2 C6.1 C7.2 C8.2 C9.2 C10.2 C14.1 C15.1 C16.1 IC1.11 IC1.12 IC2.3 IC2.25 J1.A1_B12 J1.B1_A12 J1.S1 J1.S2 J1.S3 J1.S4 Q1.3 Q3.3 R11.2 R19.1 R21.1 R32.2 R33.2 R34.2 TP2.1 TP8.1 U1.6 U1.7 U2.3 U3.1 U3.3 U3.9 | length 9.9
  Top Layer w0.3: C1.1 v2(10.6,7.7) ; C2.1 v2(12.1,4.3) ; v2(14.965,5.965) U2.3 ; C5.2 v2(25.85,6.6) ; IC2.3 29.4,4.75 v3(29.65,4.5) ; v2(33.6,5.5) 34.1,6 C9.2 ; C3.2 58.44,21.64 v2(59.3,22.5)
  other v1: 59,3 61,3 63,3 58,5 60,5 62,5 64,5 63,7 44,9 46,9 48,9 50,9 52,9 58,9 43,11 45,11 47,11 49,11 51,11 53,11 59,11 61,11 44,13 46,13 48,13 50,13 52,13 47,15 49,15 51,15 53,15 48,17 50,17 52,17 10.2,17.5 11.9,17.5 14,17.5 8.5,19 10.2,19 11.9,19 14,19 43,19 45,19 51,19 53,19 42,21 44,21 46,21 8,22.2
  other v2: 9.4,4.9 23.6,6 7.8,14 22,14.2 17.8,14.7 18.9,14.7 20.6,14.7 32,17 37,17 42,17 34,17.5 37.2,19.1 51.9,20.4 53.4,20.4 33.4,20.5 31.2,20.7 32.1,21.4 51.9,21.8 53.4,21.8 14,22.1 10.96,22.3 35.5,23 37,23
  other v3: 28.75,3.7 30.55,3.7 28.75,5.4 30.55,5.4
NetC4_1: C4.1 Q1.2 R3.2 R4.2 | length 9.5
  Top Layer w0.254: C4.1 Q1.2 35.15,15.5 ; R3.2 35.15,15.5 ; R4.2 35.15,15.5
NetC6_2: C6.2 R9.1 S1.2 | length 4.2
  Top Layer w0.254: C6.2 R9.1 22.05,11.9 S1.2
NetC8_1: C8.1 U2.8 | length 1.9
  Top Layer w0.254: U2.8 C8.1
NetC10_1: C10.1 Q3.1 R18.1 R19.2 | length 4.9
  Top Layer w0.3: R18.1 C10.1 R19.2 Q3.1
NetC11_1: C11.1 TP4.1 | length 5.7
  Top Layer w0.3: C11.1 62.8,17.7 TP4.1
NetC11_2: C11.2 R25.2 | length 1.6
  Top Layer w0.3: R25.2 C11.2
NetC12_1: C12.1 TP5.1 | length 6.5
  Top Layer w0.3: C12.1 62.8,21.7 65.5,19 TP5.1
NetC12_2: C12.2 R27.2 | length 1.7
  Top Layer w0.3: R27.2 C12.2
NetC13_1: C13.1 R31.2 TP6.1 | length 8.8
  Top Layer w0.3: R31.2 59.3,14.8 ; C13.1 59.3,14.8 ; TP6.1 63.2,14.8 59.3,14.8
NetC16_2: C16.2 R29.2 U3.6 | length 12.5
  Top Layer w0.2: U3.6 10.96,15.14 12.4,13.7 14.7,13.7 16.1,15.1 16.1,17.1 16.5,17.5 C16.2 R29.2
NetD1_1: D1.1 R5.1 | length 1.7
  Top Layer w0.254: D1.1 18.7,2 R5.1
NetD2_1: D2.1 R12.2 | length 2.1
  Top Layer w0.254: D2.1 R12.2
NetD2_2: D2.2 D3.2 R18.2 | length 5
  Top Layer w0.254: R18.2 D2.2 D3.2
NetD3_1: D3.1 R17.2 R21.2 | length 3.8
  Top Layer w0.254: D3.1 R17.2 R21.2
NetD4_1: D4.1 R23.2 | length 2.5
  Top Layer w0.254: R23.2 D4.1
NetD4_2: D4.2 R24.2 | length 4.2
  Top Layer w0.254: R24.2 32,10.1 32,12.2 32.55,12.75 D4.2
NetD4_4: D4.4 R22.2 | length 2.5
  Top Layer w0.254: R22.2 D4.4
NetIC1_23: IC1.23 R1.1 | length 2.2
  Top Layer w0.3: R1.1 IC1.23
NetIC2_1: IC2.1 R7.1 | length 5.1
  Top Layer w0.254: R7.1 v2(27.7,9.4) ; v2(27.15,7.3) 27.15,6.25 IC2.1
  Bottom Layer w0.254: v2(27.15,7.3) 27.15,7.95 27.7,8.5 v2(27.7,9.4)
NetIC2_13: IC2.13 R16.1 | length 2.4
  Top Layer w0.254: IC2.13 32.6,2.3 R16.1
NetIC2_14: IC2.14 R15.1 | length 2
  Top Layer w0.254: IC2.14 R15.1
NetIC2_22: IC2.22 R20.1 | length 24.3
  Top Layer w0.254: R20.1 20.5,22.6 21.6,23.7 23.4,23.7 24.5,22.6 24.5,18.4 28.2,14.7 28.2,11.3 29.4,10.1 IC2.22
NetIC2_23: IC2.23 R2.2 R6.2 | length 23.2
  Top Layer w0.254: R2.2 R6.2 v2(15.6,2) ; v2(24.75,2.2) 24.75,7.4 25.45,8.1 28.45,8.1 28.9,7.65 IC2.23
  Bottom Layer w0.254: v2(15.6,2) 16.2,1.4 23.95,1.4 v2(24.75,2.2)
NetJ1_A5: J1.A5 R32.1 | length 2.8
  Top Layer w0.254: v2(4.6,11.3) R32.1
  Bottom Layer w0.254: v2(4.6,11.3) 4.9,11 J1.A5
NetL1_1: L1.1 U1.5 | length 4
  Top Layer w0.45: U1.5 10.472,5.828 v2(10.472,3.946)
  Bottom Layer w0.45: L1.1 v2(10.472,3.946)
NetQ1_1: Q1.1 R8.2 R11.1 | length 4
  Top Layer w0.254: R8.2 R11.1 Q1.1
NetQ2_3: Q2.3 R10.2 R14.1 | length 4.7
  Top Layer w0.3: Q2.3 R10.2 R14.1
NetQ3_2: Q3.2 R14.2 | length 9.5
  Top Layer w0.254: R14.2 21.4,10.2 21.9,10.7 23.3,10.7 24.24,11.64 Q3.2
NetR5_2: R5.2 U2.6 | length 5.2
  Top Layer w0.254: R5.2@21.5,2.2 21.5,2.9 20.3,4.1 20.3,5.1 21.165,5.965 U2.6
NetR8_1: R8.1 R12.1 S1.1 | length 7.2
  Top Layer w0.254: R12.1 R8.1 S1.1
NetR30_2: R30.2 R33.1 U3.8 | length 6.1
  Top Layer w0.2: R30.2 v2(14.5,12.7) 15.1,12.7 R33.1 ; U3.8 v2(14.5,15.5)
  Bottom Layer w0.2: v2(14.5,12.7) v2(14.5,15.5)
NetR34_1: R34.1 U3.2 | length 2
  Top Layer w0.254: U3.2 R34.1
P_CONTROL: IC2.21 R17.1 | length 18.7
  Top Layer w0.254: R17.1 26,20.7 25.4,20.1 25.4,18.3 28.8,14.9 28.8,11.5 29.9,10.4 IC2.21
PTT_IN: C9.1 IC2.16 R13.2 TP7.1 | length 42
  Top Layer w0.254: IC2.16 35.65,4.75 36.2,5.3 C9.1 R13.2 37.3,8 38.2,8.9 38.2,9.4 39.1,10.3 41.1,10.3 42,9.4 42,7.5 42.8,6.7 59.4,6.7 62.7,10 TP7.1
RX0: IC1.26 R16.2 | length 7.6
  Top Layer w0.254: R16.2 35.3,2.3 37.9,4.9 37.9,5.9 IC1.26
TX0: IC1.25 R15.2 | length 7.9
  Top Layer w0.254: R15.2 35.65,3.75 37.3,5.4 37.3,6.5 38.2,7.4 38.2,8 39.27,9.07 IC1.25
UPDI: D1.2 R6.1 TP3.1 U2.7 | length 9.5
  Top Layer w0.254: R6.1 D1.2 ; TP3.1 19.338,3.038 19.2,2.9 D1.2 ; U2.7 19.935,7.235 18.5,5.8 D1.2
VBUS: J1.A4_B9 J1.B4_A9 R26.1 | length 10.8
  Top Layer w0.5: R26.1 v1(3.6,10.3)
  Bottom Layer w0.4: J1.A4_B9 5.805,10.3 v1(3.6,10.3) 3.6,13.4 4.5,14.3 5.905,14.3 J1.B4_A9
VBUS_IN: C14.2 R20.2 R26.2 R28.1 R29.1 U3.4 | length 25.6
  Top Layer w0.254: U3.4 C14.2 9.56,23.46 10,23.9 14.9,23.9 15.595,23.205 R28.1 R29.1 R20.2
  Top Layer w0.5: R26.2 3.5,15.4 3.5,16.9 7.645,21.045 U3.4
VOUT: C1.2 L1.2 Q2.6 U1.1 U1.8 | length 11.8
  Top Layer w0.45: U1.1 v2(8.252,3.946) U1.8 C1.2 8.252,8.652 8.65,9.05 Q2.6
  Bottom Layer w0.45: L1.2 v2(8.252,3.946)
pads on no net: B1.3 B1.4 IC1.1 IC1.2 IC1.3 IC1.4 IC1.5 IC1.6 IC1.14 IC1.15 IC1.16 IC1.17 IC1.18 IC1.19 IC1.20 IC1.22 IC2.2 IC2.5 IC2.6 IC2.7 IC2.8 IC2.9 IC2.10 IC2.11 IC2.12 IC2.15 J1. J1.A6 J1.A7 J1.A8 J1.B5 J1.B8 Q2.1 Q2.2 Q2.5 U1.2 U1.3 U2.4
copper on no net:
  other v4: 3.5,3.5 67.5,3.5 3.5,21 67.5,21

## Polygon pours and split planes (outlines as drawn)
MIC- on Top Layer "MIC-_L01_P008" (solid, remove dead copper, pour order 8): 0,0 0,24.5 70,24.5 cw(c70,23.5) 71,23.5 71,18.5 cw(c70,18.5) 70,17.5 68,17.5 ccw(c68,16.5) 67,16.5 67,8 ccw(c68,8) 68,7 70,7 cw(c70,6) 71,6 71,1 cw(c70,1) 70,0 57.5,0 cw(c57.5,0.9) 56.6,0.9 56.6,4.9 ccw(c55.5,4.9) 55.5,6 39.5,6 ccw(c39.5,5) 38.5,5 38.5,1 cw(c37.5,1) 37.5,0
5V on Top Layer "5V_L01_P007" (solid, remove dead copper, pour order 7): 10,1.7 10,2.3 14.4,2.3 14.4,1.1 10,1.1
VOUT on Top Layer "VOUT_L01_P006" (solid, remove dead copper, pour order 6): 8.252,6.098 7.8,6.55 7.8,9.2 8.5,9.9 9.7,9.9 10.3,9.3 11.1,9.3 11.1,8.7 9.1,8.7 8.7,7.9 8.252,7.852
+BATT on Top Layer "+BATT_L01_P000" (solid, remove dead copper, pour order 0): 8.9,11.8 10,10.7 11.9,10.7 11.9,13.1 11.3,13.1 10,14.4 10,15.7 9.7,16 8.2,16 8.2,15 8.9,14.3
MIC- on Bottom Layer "MIC-_L02_P009" (solid, remove dead copper, pour order 9): 0,0 0,24.5 70,24.5 cw(c70,23.5) 71,23.5 71,18.5 cw(c70,18.5) 70,17.5 68,17.5 ccw(c68,16.5) 67,16.5 67,8 ccw(c68,8) 68,7 70,7 cw(c70,6) 71,6 71,1 cw(c70,1) 70,0 57.5,0 cw(c57.5,0.9) 56.6,0.9 56.6,4.9 ccw(c55.5,4.9) 55.5,6 39.5,6 ccw(c39.5,5) 38.5,5 38.5,1 cw(c37.5,1) 37.5,0

## Keep-outs
Keep-Out Layer:
  the board outline again, w0.1

## Other copper
Bottom Layer:
  region net MIC-: 15,16.8 15,23.8 7.5,23.8 7.5,16.7

## Silkscreen, mask and mechanical layers (free items; w line width, h text height)
Top Overlay:
  circle w0.15: c3.5,3.5 r3
  circle w0.15: c67.5,21 r3
  circle w0.15: c67.5,3.5 r3
  circle w0.15: c3.5,21 r3
  text "SL" at 64.1,16.9 h1.6 r90
  text "SR" at 64.1,14.3 h1.6 r90
  text "M+" at 64.122,11.7 h1.6 r90
  text "PTT" at 64.122,8.7 h1.6 r90
  text "M-" at 64.122,6.7 h1.6 r90
  text "COMPLIANT" at 61.57,3.312 h1.3 r90
  text "RoHS" at 60.07,3.272 h3 r90
Bottom Overlay:
  circle w0.2: c48.487,11.73 r0.4
  circle w0.15: c49.21,15.8 r0.15
  circle w0.2: c48.487,11.73 r0.1
  region: 47.01,14.7 47.99,14.7 47.99,14.317 47.01,14.317
  region: 45.514,11.703 45.896,11.703 45.896,11.32 45.514,11.32
  lines w0.2: 44.019,11.003 50.001,15.998 ; 44.019,15.998 50.001,11.003 ; 44.717,15.699 49.004,15.699 ; 46.71,16.118 46.71,16 47.554,16 47.554,16.156 ; 60.4,2.394 60.4,10.9 ; 49.004,15.699 48.705,16.199 45.315,16.199 45.016,15.699 45.514,11.703 48.505,11.703 49.004,15.699 ; 48.804,14.7 49.104,14.7 49.203,15.2 48.804,15.2 48.804,14.7
  text "GND" at 22.3,22.8 h1.6
  text "BLE AUDIO TRANSMITTER 2.0" at 62.5,22.5 h2
  text "klein Electronics" at 35,21.5 h1.5
  text "UPDI" at 21.3,1.5 h1.6
  text "5V" at 29.1,1.2 h1.6